# KiCad board main.kicad_pcb
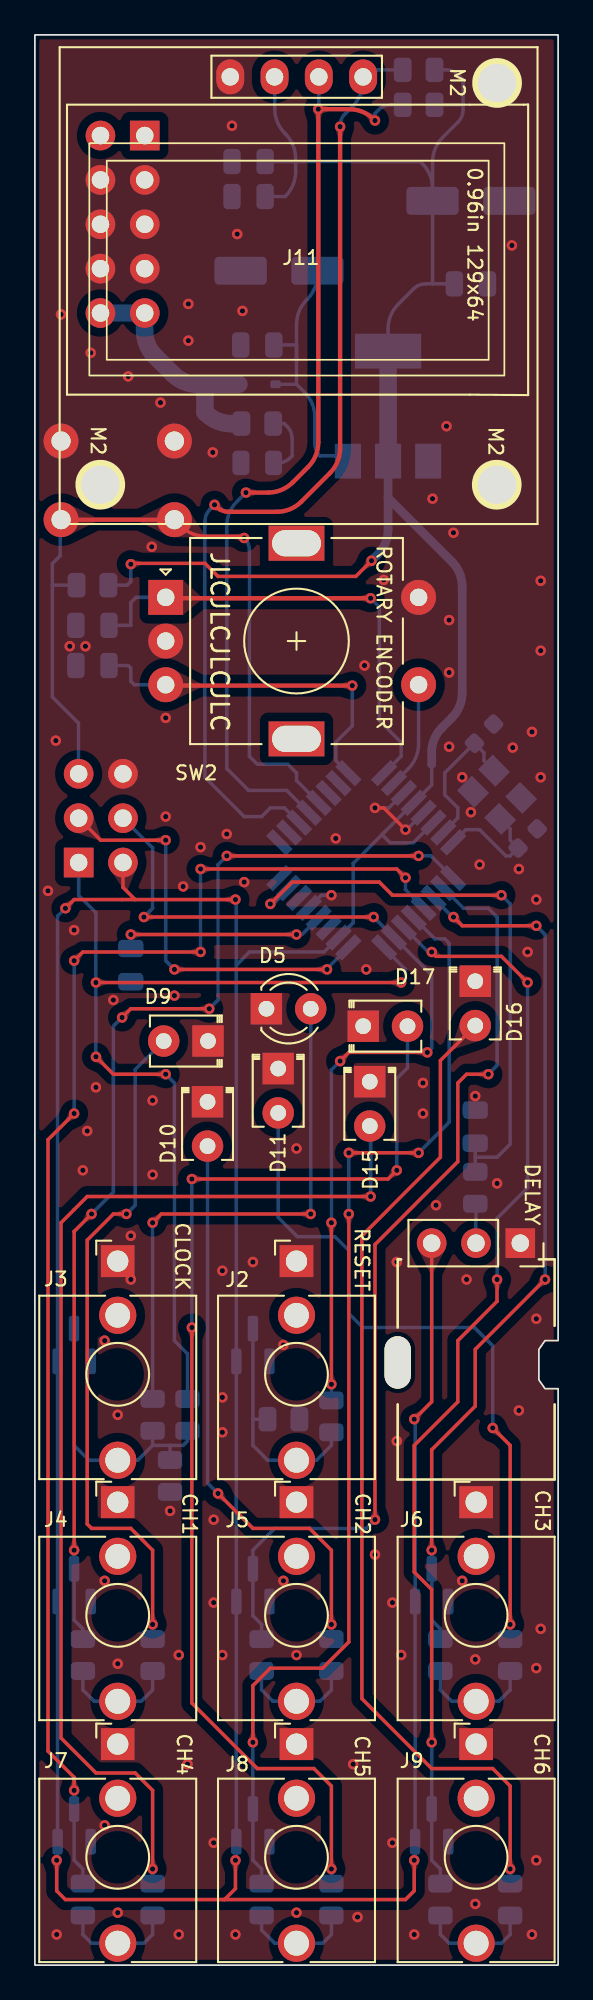
[diagram p0: board, top side]
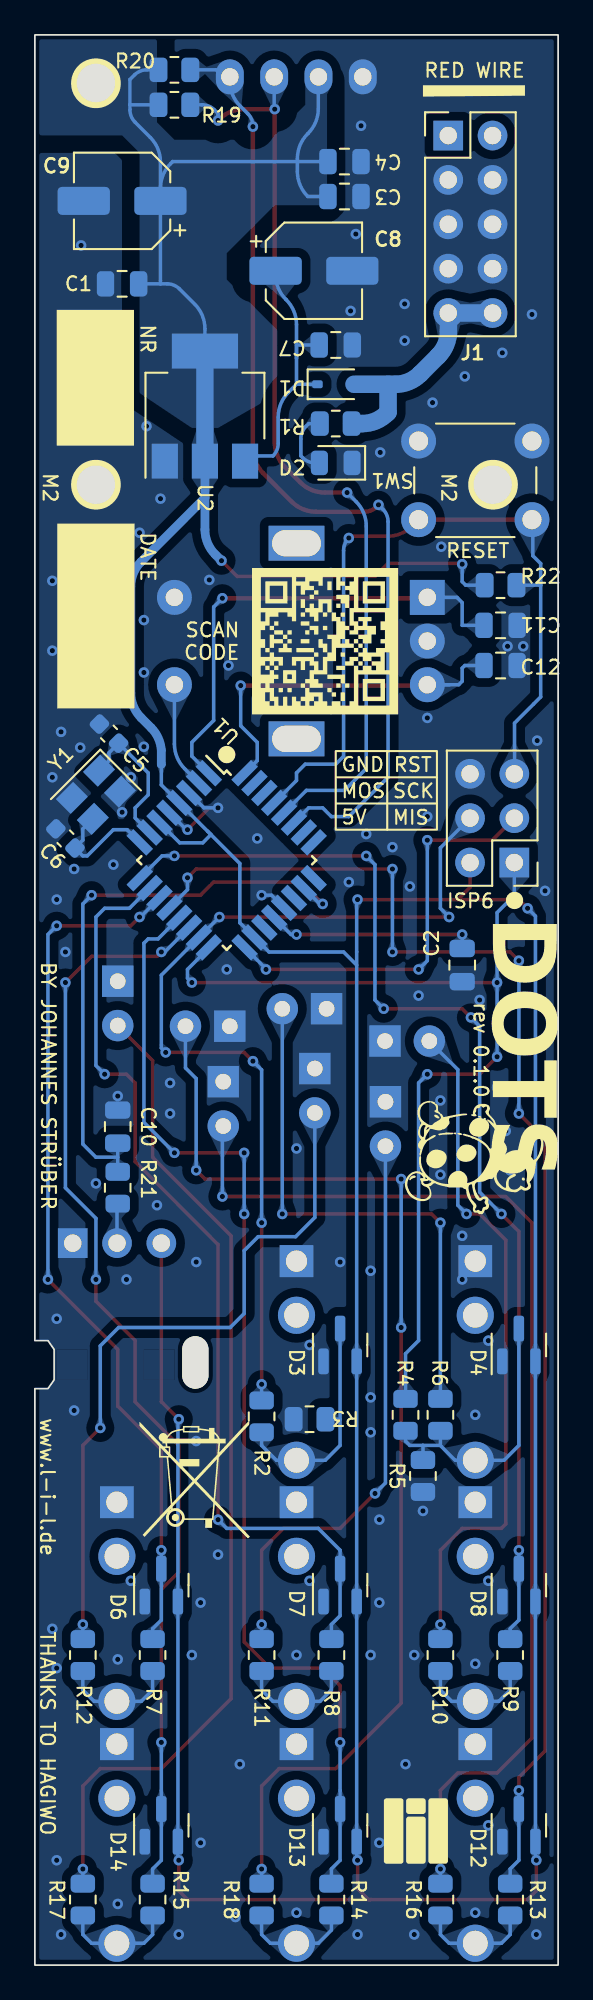
[diagram p1: board, bottom side, seen from below]

Outline 30 x 110.5 mm; copper layers: Top, Bottom. Coordinates in mm from the lower left corner of the outline.
Outline path: 0,110.5 30,110.5 30,35.75 29.25,35.75 28.9,35.25 28.9,33.5 29.25,33 30,33 30,0 0,0 closed
Stack: Top 0.035mm / dielectric 1.51mm FR4 er 4.5 / Bottom 0.035mm

## Placement (name value [footprint] x y rotation side)
C1  C 100nF  [C_0805_2012Metric]  25 96.25 0 bottom
C2  C 100nF  [C_0805_2012Metric]  5.5 57.25 270 bottom
C3  C 100nF  [C_0805_2012Metric]  12.25 101.25 180 bottom
C4  C 100nF  [C_0805_2012Metric]  12.25 103.25 180 bottom
C5  C 20pF  [C_0603_1608Metric]  25.75 70.5 45 bottom
C6  C 20pF  [C_0603_1608Metric]  28.25 64.5 45 bottom
C7  C 100nF  [C_0805_2012Metric]  12.75 92.75 180 bottom
C8  C 10uf  [CP_Elec_5x5.4]  14 97 180 bottom
C9  C 10uf  [CP_Elec_5x5.4]  25 101 0 bottom
C10  C 220pF  [C_0805_2012Metric]  25.25 48 90 bottom
C11  C 10nF  [C_0805_2012Metric]  3.3 76.7 180 bottom
C12  C 10nF  [C_0805_2012Metric]  3.3 74.4 0 bottom
D1  1N5819WS  [D_SOD-323]  12.75 90.5 180 bottom
D2  LED  [LED_0805_2012Metric]  12.75 86 0 bottom
D3  BAT54S  [SOT-23]  12.5 35.5 90 bottom
D4  BAT54S  [SOT-23]  2.25 35.5 90 bottom
D5  LED  [LED_D3.0mm]  13.27 54.75 0 top
D6  BAT54S  [SOT-23]  22.75 21.75 90 bottom
D7  BAT54S  [SOT-23]  12.5 21.75 90 bottom
D8  BAT54S  [SOT-23]  2.25 21.75 90 bottom
D9  LED  [LED_D2.0mm_W4.0mm_H2.8mm_FlatTop]  9.93 52.9 180 top
D10  LED  [LED_D2.0mm_W4.0mm_H2.8mm_FlatTop]  9.9 49.42 270 top
D11  LED  [LED_D2.0mm_W4.0mm_H2.8mm_FlatTop]  13.95 51.33 270 top
D12  BAT54S  [SOT-23]  2.25 8 90 bottom
D13  BAT54S  [SOT-23]  12.5 8 90 bottom
D14  BAT54S  [SOT-23]  22.75 8 90 bottom
D15  LED  [LED_D2.0mm_W4.0mm_H2.8mm_FlatTop]  19.2 50.58 270 top
D16  LED  [LED_D2.0mm_W4.0mm_H2.8mm_FlatTop]  25.25 56.33 270 top
D17  LED  [LED_D2.0mm_W4.0mm_H2.8mm_FlatTop]  18.83 53.75 0 top
DELAY1  R_Potentiometer_US  [PinSocket_1x03_P2.54mm_Vertical]  27.83 41.33 270 top
J1  Conn_02x05_Odd_Even  [PinHeader_2x05_P2.54mm_Vertical]  6.3 104.74 180 bottom
J2  AudioJack2  [Jack_3.5mm_QingPu_WQP-PJ398SM_Vertical_CircularHoles]  15 40.3 0 top
J3  AudioJack2  [Jack_3.5mm_QingPu_WQP-PJ398SM_Vertical_CircularHoles]  4.75 40.3 0 top
J4  AudioJack2  [Jack_3.5mm_QingPu_WQP-PJ398SM_Vertical_CircularHoles]  4.75 26.5 0 top
J5  AudioJack2  [Jack_3.5mm_QingPu_WQP-PJ398SM_Vertical_CircularHoles]  15 26.5 0 top
J6  AudioJack2  [Jack_3.5mm_QingPu_WQP-PJ398SM_Vertical_CircularHoles]  25.3 26.5 0 top
J7  AudioJack2  [Jack_3.5mm_QingPu_WQP-PJ398SM_Vertical_CircularHoles]  4.75 12.65 0 top
J8  AudioJack2  [Jack_3.5mm_QingPu_WQP-PJ398SM_Vertical_CircularHoles]  15 12.65 0 top
J9  AudioJack2  [Jack_3.5mm_QingPu_WQP-PJ398SM_Vertical_CircularHoles]  25.3 12.65 0 top
J10  Conn_02x03_Odd_Even  [PinHeader_2x03_P2.54mm_Vertical]  2.51 63.12 0 bottom
J11  Conn_01x04_Pin  [128x64OLED]  14.82 97.5 0 top
MD1  -  [MountingHole_2.2mm_M2]  3.75 84.75 0 top
MD2  -  [MountingHole_2.2mm_M2]  26.5 84.75 0 top
MT1  -  [MountingHole_2.2mm_M2]  26.5 107.75 0 top
R1  R 1K5  [R_0805_2012Metric]  12.75 88.25 180 bottom
R2  R 470  [R_0805_2012Metric]  17 31.41 90 bottom
R3  R 100k  [R_0805_2012Metric]  14.25 31.25 180 bottom
R4  R 470  [R_0805_2012Metric]  8.75 31.5 90 bottom
R5  R 100k  [R_0805_2012Metric]  7.75 28 90 bottom
R6  R 470Ohm  [R_0805_2012Metric]  6.75 31.5 90 bottom
R7  R 470  [R_0805_2012Metric]  23.25 17.75 90 bottom
R8  R 470  [R_0805_2012Metric]  13 17.75 90 bottom
R9  R 470  [R_0805_2012Metric]  2.75 17.75 90 bottom
R10  R 33k  [R_0805_2012Metric]  6.75 17.75 90 bottom
R11  R 33k  [R_0805_2012Metric]  17 17.75 90 bottom
R12  R 33k  [R_0805_2012Metric]  27.25 17.75 90 bottom
R13  R 470  [R_0805_2012Metric]  2.75 3.75 90 bottom
R14  R 470  [R_0805_2012Metric]  13 3.75 90 bottom
R15  R 470  [R_0805_2012Metric]  23.25 3.75 90 bottom
R16  R 33k  [R_0805_2012Metric]  6.75 3.75 90 bottom
R17  R 33k  [R_0805_2012Metric]  27.25 3.75 90 bottom
R18  R 33k  [R_0805_2012Metric]  17 3.75 90 bottom
R19  R 3K3  [R_0805_2012Metric]  22 106.5 0 bottom
R20  R 3K3  [R_0805_2012Metric]  22 108.5 0 bottom
R21  R 470  [R_0805_2012Metric]  25.25 44.5 90 bottom
R22  R 10K  [R_0805_2012Metric]  3.3 79 0 bottom
REF**  -  [MountingHole_2.1mm]  20.8 34.5 0 top
SW1  SW_TACTILE  [SW_PUSH_6mm]  8 87.25 180 bottom
SW2  RotaryEncoder_Switch  [RotaryEncoder_Alps_EC11E-Switch_Vertical_H20mm]  7.5 78.3 0 top
U1  ATmega328P-AU  [TQFP-32_7x7mm_P0.8mm]  19 63.25 225 bottom
U2  AMS1117-5.0  [SOT-223-3_TabPin2]  20.25 89.25 90 bottom
Y1  Crystal_GND24  [Crystal_SMD_3225-4Pin_3.2x2.5mm]  26.5 67 315 bottom

## Library data of the parts
C1-C4 C7 = -: Description: Unpolarized capacitor, small symbol; LCSC: C49678
C5 C6 = -: Description: Unpolarized capacitor; LCSC: C1648
C8 C9 = -: Description: Polarized capacitor, US symbol; LCSC: C72486
C10 = -: Description: Unpolarized capacitor; LCSC: C107145
C11 C12 = -: Description: Unpolarized capacitor; LCSC: C1710
D1 = -: Description: 40V 600mV@1A 1A SOD-323 Schottky Barrier Diodes, SOD-323; LCSC: C191023
D2 = -: Description: Light emitting diode; LCSC: C84256
D3 D4 D6-D8 D12-D14 = -: Description: Vr 30V, If 200mA, Dual schottky barrier diode, in series, SOT-323; LCSC: C916425
D5 D9-D11 D15-D17 = -: Description: Light emitting diode
DELAY1 = -: Description: Potentiometer, US symbol
J1 = -: Description: Generic connector, double row, 02x05, odd/even pin numbering scheme (row 1 odd numbers, row 2 even numbers), script generated (kicad-library-utils/schlib/autogen/connector/); LCSC: C492422
J2-J9 = -: Description: Audio Jack, 2 Poles (Mono / TS)
J10 = -: Description: Generic connector, double row, 02x03, odd/even pin numbering scheme (row 1 odd numbers, row 2 even numbers), script generated (kicad-library-utils/schlib/autogen/connector/); LCSC: C492420
J11 = -: Description: Generic connector, single row, 01x04, script generated
R1 = -: Description: Resistor; LCSC: C4310
R2 R4 R6-R9 R13-R15 R21 = -: Description: Resistor; LCSC: C17710
R3 R5 = -: Description: Resistor; LCSC: C149504
R10-R12 R16-R18 = -: Description: Resistor; LCSC: C17633
R19 R20 = -: Description: Resistor; LCSC: C26010
R22 = -: Description: Resistor; LCSC: C17414
SW1 = -: Description: Single Pole Single Throw (SPST) switch
SW2 = -: Description: Rotary encoder, dual channel, incremental quadrate outputs, with switch
U1 = -: Description: 20MHz, 32kB Flash, 2kB SRAM, 1kB EEPROM, TQFP-32; LCSC: C14877
U2 = -: Description: 800mA Fixed Low Drop Positive Voltage Regulator, Fixed Output 1.2V, SOT-223; LCSC: C917153
Y1 = -: Description: Four pin crystal, GND on pins 2 and 4; LCSC: C13738

## Footprints (pads in the part's own frame, mm; a bottom-side part is the same pattern mirrored in y, then rotated)
128x64OLED
  oval 1.6x2 hole 1: 1(-3.62,10.6) 2(-1.08,10.6) 3(1.46,10.6) 4(4,10.6)
C_0603_1608Metric
  rrect 0.9x0.95 smd: 1(-0.775,0) 2(0.775,0)
C_0805_2012Metric
  rrect 1x1.45 smd: 1(-0.95,0) 2(0.95,0)
CP_Elec_5x5.4
  rrect 3x1.6 smd: 1(-2.2,0) 2(2.2,0)
Crystal_SMD_3225-4Pin_3.2x2.5mm
  rect 1.4x1.2 smd: 1(-1.1,-0.85) 2(1.1,-0.85) 3(1.1,0.85) 4(-1.1,0.85)
D_SOD-323
  rrect 0.6x0.45 smd: 1(-1.05,0) 2(1.05,0)
Jack_3.5mm_QingPu_WQP-PJ398SM_Vertical_CircularHoles
  rect 1.93x1.83 hole 1.22: S(0,0)
  round 2.13 hole 1.43: T(0,-11.4)
  round 2.13 hole 1.42: TN(0,-3.1)
LED_0805_2012Metric
  rrect 0.975x1.4 smd: 1(-0.938,0) 2(0.938,0)
LED_D2.0mm_W4.0mm_H2.8mm_FlatTop
  rect 1.8x1.8 hole 0.9: 1(0,0)
  round 1.8 hole 0.9: 2(2.54,0)
LED_D3.0mm
  rect 1.8x1.8 hole 0.9: 1(0,0)
  round 1.8 hole 0.9: 2(2.54,0)
MountingHole_2.1mm
  oval 1.5x3 hole 1.5x3 unplated: (0,0)
MountingHole_2.2mm_M2
  round 2.2 hole 2.2 unplated: (0,0)
PinHeader_2x03_P2.54mm_Vertical
  rect 1.7x1.7 hole 1: 1(0,0)
  oval 1.7x1.7 hole 1: 2(2.54,0) 3(0,-2.54) 4(2.54,-2.54) 5(0,-5.08) 6(2.54,-5.08)
PinHeader_2x05_P2.54mm_Vertical
  rect 1.7x1.7 hole 1: 1(0,0)
  oval 1.7x1.7 hole 1: 2(2.54,0) 3(0,-2.54) 4(2.54,-2.54) 5(0,-5.08) 6(2.54,-5.08) 7(0,-7.62) 8(2.54,-7.62) 9(0,-10.16) 10(2.54,-10.16)
PinSocket_1x03_P2.54mm_Vertical
  rect 1.7x1.7 hole 1: 1(0,0)
  oval 1.7x1.7 hole 1: 2(0,-2.54) 3(0,-5.08)
R_0805_2012Metric
  rrect 1.025x1.4 smd: 1(-0.912,0) 2(0.912,0)
RotaryEncoder_Alps_EC11E-Switch_Vertical_H20mm
  rect 2x2 hole 1: A(0,0)
  round 2 hole 1: B(0,-5) C(0,-2.5) S1(14.5,-5) S2(14.5,0)
  rect 3.2x2 hole 2.8x1.5: MP(7.5,3.1) MP(7.5,-8.1)
SOT-23
  rrect 1.475x0.6 smd: 1(-0.938,0.95) 2(-0.938,-0.95) 3(0.938,0)
SOT-223-3_TabPin2
  rect 2x1.5 smd: 1(-3.15,2.3) 2(-3.15,0) 3(-3.15,-2.3)
  rect 2x3.8 smd: 2(3.15,0)
SW_PUSH_6mm
  round 2 hole 1.1: 1(0,0) 1(6.5,0) 2(0,-4.5) 2(6.5,-4.5)
TQFP-32_7x7mm_P0.8mm
  rect 1.6x0.55 smd: 1(-4.25,2.8) 2(-4.25,2) 3(-4.25,1.2) 4(-4.25,0.4) 5(-4.25,-0.4) 6(-4.25,-1.2) 7(-4.25,-2) 8(-4.25,-2.8) 17(4.25,-2.8) 18(4.25,-2) 19(4.25,-1.2) 20(4.25,-0.4) 21(4.25,0.4) 22(4.25,1.2) 23(4.25,2) 24(4.25,2.8)
  rect 0.55x1.6 smd: 9(-2.8,-4.25) 10(-2,-4.25) 11(-1.2,-4.25) 12(-0.4,-4.25) 13(0.4,-4.25) 14(1.2,-4.25) 15(2,-4.25) 16(2.8,-4.25) 25(2.8,4.25) 26(2,4.25) 27(1.2,4.25) 28(0.4,4.25) 29(-0.4,4.25) 30(-1.2,4.25) 31(-2,4.25) 32(-2.8,4.25)

## Nets
+5V: C1.1 C3.1 C4.1 C9.1 D3.2 D4.2 D6.2 D7.2 D8.2 D12.2 D13.2 D14.2 DELAY1.3 J10.2 J11.2 R19.2 R20.2 R22.2 U1.4 U1.6 U1.18 U2.2
+12V: D1.2 J1.9 J1.10 R1.2
GND: C1.2 C2.2 C3.2 C4.2 C5.2 C6.2 C7.2 C8.2 C9.2 C10.2 C11.2 C12.1 D2.1 D3.1 D4.1 D5.1 D6.1 D7.1 D8.1 D9.1 D10.1 D11.1 D12.1 D13.1 D14.1 D15.1 D16.1 D17.1 DELAY1.1 J1.3 J1.4 J1.5 J1.6 J1.7 J1.8 J2.S J3.S J4.S J5.S J6.S J7.S J8.S J9.S J10.6 J11.1 R3.1 R5.1 SW1.1 SW2.C SW2.S2 U1.3 U1.5 U1.21 U2.1 Y1.2 Y1.4
A0 POT: C10.1 R21.2 U1.23
A1: U1.24
A2: U1.25
A3: U1.26
A4 SDA: J11.4 R20.1 U1.27
A5 SCL: J11.3 R19.1 U1.28
A6: U1.19
A7: U1.22
D0/RX: U1.30
D1/TX: U1.31
D2 ROTARY LEFT: C12.2 SW2.B U1.32
D3 ROTARY RIGHT: C11.1 SW2.A U1.1
D4 PUSH: SW2.S1 U1.2
D5 CH1: D8.3 R9.2 U1.9
D6 CH2: D7.3 R8.2 U1.10
D7 CH3: D6.3 R7.2 U1.11
D8 CH4: D12.3 R13.2 U1.12
D9 CH5: D13.3 R14.2 U1.13
D10 CH6: D14.3 R15.2 U1.14
D11 MOSI RESET: J10.4 R2.2 U1.15
D12 MISO CLOCK: J10.1 R4.2 U1.16
RESET: J10.5 R22.1 SW1.2 U1.29
SCK: J10.3 U1.17
Net-(D1-K): C7.1 C8.1 D1.1 U2.3
Net-(D2-A): D2.2 R1.1
Net-(D3-COM): D3.3 J2.T R2.1 R3.2
Net-(D4-COM): D4.3 J3.T R4.1 R5.2 R6.1
Net-(D5-A): D5.2 R6.2
Net-(D9-A): D9.2 R10.2
Net-(D10-A): D10.2 R11.2
Net-(D11-A): D11.2 R12.2
Net-(D15-A): D15.2 R16.2
Net-(D16-A): D16.2 R17.2
Net-(D17-A): D17.2 R18.2
Net-(DELAY1-Pad2): DELAY1.2 R21.1
Net-(J4-PadT): J4.T R9.1 R10.1
Net-(J5-PadT): J5.T R8.1 R11.1
Net-(J6-PadT): J6.T R7.1 R12.1
Net-(J7-PadT): J7.T R13.1 R16.1
Net-(J8-PadT): J8.T R14.1 R18.1
Net-(J9-PadT): J9.T R15.1 R17.1
Net-(U1-AREF): C2.1 U1.20
Net-(U1-XTAL1/PB6): C5.1 U1.7 Y1.1
Net-(U1-XTAL2/PB7): C6.1 U1.8 Y1.3

Pads without a net: J1 1 2; J2 TN; J3 TN; J4 TN; J5 TN; J6 TN; J7 TN; J8 TN; J9 TN; SW2 MP

## Via types
v1: diameter 0.6, hole 0.3, Top to Bottom, 179 vias

## Routing (per net, layer and track width the routed paths; a pad name or vN(x,y) marks a point on that pad's centre or on a via; arc(x,y) is an arc through that point)
+5V: length 298
  Top w0.2: 10.75,3.75 10.88,3.75 11.5,4.38 v1(11.5,6) ; 5.75,61 5.05,61.7 J10.2 ; v1(21.75,31.25) 22.75,32.25 DELAY1.3 ; 5.61,80.31 v1(5.5,80.2) 5.55,80.25 9.75,80.25 10.5,79.5 18.4,79.5 v1(19.3,80.4) ; v1(21.75,6) 21.75,4.25 21.25,3.75 1.75,3.75 1.25,4.25 v1(1.25,6) ; v1(1.75,60.5) 2.25,61 v1(11.5,61)
  Bottom w0.2: R19.2 24.55,106.5 ; 24.55,106.5 24.55,107.95 24.29,108.21 arc(23.97,108.42) 23.59,108.5 R20.2 ; 24.55,106.5 24.55,106.21 arc(24.47,105.83) 24.26,105.51 23.39,104.64 arc(22.95,103.99) 22.8,103.22 C9.1 ; v1(11.5,61) 11.55,60.95 D3.2 D7.2 D13.2 11.55,6.05 v1(11.5,6) ; 22.8,96.25 22.41,96.25 arc(22.03,96.17) 21.71,95.96 20.84,95.09 arc(20.4,94.44) 20.25,93.67 U2.2 ; 22.8,96.25 C9.1 ; 22.8,96.25 C1.1 24.05,95.75 ; v1(5.5,80.2) 5.5,79.2 5.3,79 R22.2 ; C9.1 22.8,101.72 arc(22.65,102.49) 22.21,103.14 22.1,103.25 14.95,103.25 ; 11.55,57.25 12.3,58 16.58,58 U1.18 18.25,59.67 18.25,63.07 20.09,64.91 ; C4.1 14.95,103.25 ; 14.95,103.25 14.95,102.68 arc(14.8,101.91) 14.36,101.26 14.35,101.25 C3.1 ; 14.95,103.25 14.95,103.42 arc(14.8,104.19) 14.36,104.84 14.34,104.86 arc(13.9,105.51) 13.75,106.28 13.75,108.09 J11.2 14,107.84 ; v1(1.25,6) 1.3,6.05 D12.2 D8.2 D4.2 1.3,60.05 v1(1.75,60.5) ; 20.5,91.9 20,92.4 ; v1(21.75,6) 21.8,6.05 D14.2 D6.2 21.8,31.2 v1(21.75,31.25) ; U1.6 21.7,64.25 20.38,64.25 19.9,64.72 20.09,64.91 ; 20.09,64.91 U1.4 22.75,67.57 22.75,68.75
  Bottom w0.5: 20.25,84 20.25,82.18 arc(20.1,81.41) 19.66,80.76 v1(19.3,80.4) ; 20.25,84 23.91,80.34 arc(24.35,79.69) 24.5,78.92 24.5,72.83 arc(24.35,72.06) 23.91,71.41 23.34,70.84 arc(22.93,70.25) 22.75,69.55 22.75,68.75 22.75,68.75 ; 20.25,84 U2.2
  Bottom w1: U2.2 U2.2
+12V: length 14.4
  Bottom w1: R1.2 11.23,88.25 arc(10.46,88.4) 9.81,88.84 9.75,88.9 9.75,90.5 ; J1.10 J1.9 6.29,94.57 6.29,93.54 arc(6.44,92.77) 6.88,92.12 7.91,91.09 arc(8.56,90.65) 9.33,90.5 D1.2
GND: length 8
  Top w0.2: v1(21.25,65) 20,66.25 v1(19.5,66.25)
  Bottom w0.2: v1(19.5,66.25) 20.3,66.25 U1.3 ; 25,67.06 Y1.4 25.12,67.38 ; U1.21 16.43,61.25 v1(17,61.25) ; 25.25,67.31 25.37,67.43 25.37,67.56 ; v1(21.25,65) 21.32,65 U1.5
  vias: v1(0.75,61.5) v1(1.2,70.1) v1(1.25,1.75) v1(1.5,94.5) v1(2,75.5) v1(2.25,59.25) v1(2.75,45.5) v1(2.9,75.5) v1(3,47.75) v1(3.2,92.3) v1(3.5,50.25) v1(4,35.75) v1(4,22) v1(4,8) v1(4.5,55.25) v1(4.75,31.5) v1(4.75,17.25) v1(4.75,3) v1(5.35,90.95) v1(5.5,41.75) v1(5.5,39.25) v1(6.7,81.2) v1(6.75,49.5) v1(6.75,45.25) v1(7.2,89.45) v1(7.5,71.4) v1(7.5,65.75) v1(7.75,26) v1(8,55.5) v1(8.25,17.75) v1(8.25,1.75) v1(8.5,61.75) v1(8.8,95.1) v1(8.8,93) v1(8.75,11.5) v1(9.5,64) v1(10.2,86.6) v1(10.25,25.5) v1(10.25,20.75) v1(10.25,7) v1(10.75,39.75) v1(10.75,32.5) v1(10.75,30.5) v1(10.75,17.75) v1(11,64.75) v1(11.3,105.3) v1(11.5,1.75) v1(11.6,99.1) v1(11.9,94.7) v1(12,62) v1(12.5,40.25) v1(14.25,35.5) v1(14.25,22) v1(15,46.75) v1(15,17.75) v1(15,3) v1(17.25,64.5) v1(18.25,11.5) v1(18.5,2.75) v1(18.9,74.4) v1(19,57) v1(19.5,23.5) v1(20,79.3) v1(20.5,20.75) v1(20.5,7) v1(20.75,40.25) v1(20.75,30) v1(21,17.75) v1(21.75,1.75) v1(22.25,50.5) v1(22.25,48.75) v1(22.8,83.95) v1(23,43.5) v1(23.6,88.1) v1(23.75,77) v1(23.75,74) v1(23.75,69.75) v1(24,82) v1(24.5,68) v1(24.5,22) v1(24.75,39.25) v1(25,66) v1(25.25,49.75) v1(25.25,17.5) v1(25.25,3.5) v1(25.5,63) v1(26.5,44.75) v1(27.35,98.45) v1(27.4,69.7) v1(27.75,62.75) v1(27.75,31.75) v1(28.25,58) v1(28.5,70.6) v1(28.5,1.75) v1(28.75,61) v1(28.75,37) v1(28.75,17) v1(28.75,6) v1(29,79.25) v1(29,75.25) v1(29,68) v1(29,19.25)
A0 POT: length 33.9
  Top w0.2: v1(26.75,61.25) 20.5,61.25 19.75,62 14.75,62 v1(13.5,60.75)
  Bottom w0.2: 25.25,46.25 26.5,46.25 27.25,47 27.25,60.75 v1(26.75,61.25) ; 25.25,46.25 R21.2 ; 25.25,46.25 C10.1 ; v1(13.5,60.75) 13.67,60.75 U1.23
A4 SDA: length 55.9
  Top w0.25: v1(17.5,105.25) 17.5,86.83 arc(17.35,86.06) 16.91,85.41 15.29,83.79 arc(14.64,83.35) 13.87,83.2 11.11,83.2 arc(10.73,83.28) 10.41,83.49 v1(10.3,83.6)
  Bottom w0.2: R20.1 19.63,108.5 arc(19.25,108.42) 18.93,108.21 J11.4 18.82,107.85 arc(18.67,107.08) 18.23,106.43 17.79,105.99 arc(17.58,105.67) 17.5,105.29 v1(17.5,105.25) ; v1(10.3,83.6) 10.04,83.34 arc(9.83,83.02) 9.75,82.64 9.75,68 12,65.75 13,65.75 13.5,66.25 14.3,66.25 U1.27
A5 SCL: length 54.1
  Top w0.25: v1(12.1,84.3) 13.37,84.3 arc(14.14,84.45) 14.79,84.89 15.66,85.76 arc(16.1,86.41) 16.25,87.18 v1(16.25,106.25) 18.02,106.25 arc(18.79,106.1) 19.44,105.66 v1(19.5,105.6)
  Bottom w0.2: v1(16.25,106.25) 16.28,106.28 J11.3 ; v1(19.5,105.6) 19.5,106 19.71,106.21 arc(20.03,106.42) 20.41,106.5 R19.1 ; U1.28 14.43,67.25 12.25,67.25 11,68.5 11,82.37 arc(11.15,83.14) 11.59,83.79 v1(12.1,84.3)
D2 ROTARY LEFT: length 21.9
  Top w0.25: v1(18.2,73.25) 7.55,73.25 SW2.B
  Bottom w0.2: 6.21,73.3 SW2.B 5.7,73.3 5.5,73.5 5.5,74.25 5.35,74.4 C12.2 ; v1(18.2,73.25) 18.2,70.95 17.25,70 17.25,68.96 U1.32
D3 ROTARY RIGHT: length 27.5
  Top w0.25: v1(19.25,78.25) 7.55,78.25
  Bottom w0.2: SW2.A 5.8,78.3 5.5,78 5.5,76.7 C11.1 ; v1(19.25,78.25) 19.75,77.75 19.75,71.25 21,70 21,69.21 U1.1
D4 PUSH: length 6.1
  Bottom w0.2: U1.2 21.41,68.49 arc(21.85,69.14) 22,69.91 SW2.S1
D5 CH1: length 64.8
  Top w0.2: v1(5,54.25) 5.5,54.75 v1(10,54.75) ; v1(11,63.5) v1(22,63.5) ; v1(3.25,43) 2.25,42 v1(2.25,23.75)
  Bottom w0.2: v1(3.25,43) 4.5,44.25 4.5,53.75 v1(5,54.25) ; v1(2.25,23.75) D8.3 2.25,19.75 2.75,19.25 R9.2 ; v1(10,54.75) 10.5,55.25 10.5,63 v1(11,63.5) ; U1.9 22.71,63.5 v1(22,63.5)
D6 CH2: length 54.9
  Top w0.2: v1(19.5,25.5) 19.5,41.25 24.25,46 24.25,50.5 24.75,51 v1(26,51)
  Bottom w0.2: v1(19.5,25.5) 19,25 13.75,25 12.5,23.75 D7.3 12.5,20 13,19.5 R8.2 ; U1.10 24.58,60.5 26,60.5 26.5,60 26.5,51.5 v1(26,51)
D7 CH3: length 50.4
  Top w0.2: v1(29.25,39.25) 25.25,35.25 25.25,32 22.75,29.5 v1(22.75,23.75) ; v1(28.75,59.5) 24.5,59.5 v1(24,60)
  Bottom w0.2: v1(28.75,59.5) 29.25,59 v1(29.25,39.25) ; R7.2 23.25,19.25 22.75,19.75 D6.3 v1(22.75,23.75) ; U1.11 23.95,60
D8 CH4: length 80.6
  Top w0.2: v1(2.25,57.5) 2.75,58 v1(9.5,58) ; v1(9.5,62.75) 20.75,62.75 v1(21.25,62.25) ; v1(2.25,10) 2.25,10.75 0.75,12.25 0.75,47.25 v1(2.25,48.75)
  Bottom w0.2: R13.2 2.75,5.5 2.25,6 D12.3 v1(2.25,10) ; v1(21.25,62.25) 21.25,61.57 U1.12 ; v1(2.25,57.5) v1(2.25,48.75) ; v1(9.5,58) v1(9.5,62.75)
D9 CH5: length 65.4
  Top w0.2: v1(12.5,12.75) 12.5,16 13.5,17 16.5,17 18,18.5 v1(18,43) ; v1(22,46.5) v1(18,46.5)
  Bottom w0.2: v1(18,46.5) v1(18,43) ; v1(12.5,12.75) D13.3 12.5,6 13,5.5 R14.2 ; U1.13 22.93,58.75 23.5,58.75 23.75,58.5 23.75,48.25 v1(22,46.5)
D10 CH6: length 63.3
  Top w0.2: v1(22.75,58) 23,57.75 26.75,57.75 v1(28.25,56.25) ; v1(26.5,39.25) 26.5,38 24.25,35.75 24.25,32.25 21.75,29.75 21.75,22.5 22.75,21.5 v1(22.75,12.75)
  Bottom w0.2: v1(26.5,39.25) 26.5,42.75 28.25,44.5 v1(28.25,56.25) ; v1(22.75,58) 22.55,58 U1.14 ; R15.2 23.25,5.5 22.75,6 D14.3 v1(22.75,12.75)
D11 MOSI RESET: length 53.8
  Top w0.2: v1(17.5,51.75) 18,52.25 v1(22.5,52.25) ; v1(6.25,60) v1(19.42,60) ; v1(17,33.25) v1(17,42.5)
  Bottom w0.2: v1(17.5,51.75) 17,51.25 v1(17,42.5) ; v1(19.42,60) U1.15 22.75,56.67 22.75,52.5 v1(22.5,52.25) ; v1(6.25,60) 6.75,60.5 6.75,63.96 J10.4 ; R2.2 v1(17,33.25)
D12 MISO CLOCK: length 55.2
  Top w0.2: v1(3.5,56.25) v1(21,56.25) ; v1(7.5,51) 4.5,51 v1(3.5,52)
  Bottom w0.2: v1(21,56.25) 21.25,56.5 21.25,57 20.03,58.22 U1.16 ; v1(7.5,51) 8,50.5 8,35.75 8.75,35 R4.2 ; J10.1 2.51,61.24 3.5,60.25 v1(3.5,56.25) v1(3.5,52)
RESET: length 45.5
  Top w0.2: SW1.2 8.36,82.39 arc(9.01,81.95) 9.78,81.8 11.9,81.8 v1(12,81.7)
  Top w0.25: SW1.2 SW1.2
  Bottom w0.2: U1.29 15,67.82 15,68.25 14.5,68.75 12.75,68.75 12.3,69.2 12.3,80.99 arc(12.22,81.37) 12.01,81.69 v1(12,81.7) ; SW1.2 1.45,82.7 1.45,80.69 1,80.24 1,79 ; 1,79 R22.1 ; 1,79 1,72.6 2.5,71.1 2.5,68.21 J10.5
SCK: length 23.6
  Top w0.2: J10.3 3.77,64.4 v1(7.5,64.4) ; v1(8,57) v1(16.75,57)
  Bottom w0.2: v1(7.5,64.4) 7.5,57.5 v1(8,57) ; v1(16.75,57) 16.75,57.04 U1.17
Net-(D1-K): length 16.1
  Bottom w0.2: 15,92 15,93.92 arc(15.15,94.69) 15.59,95.34 15.61,95.36 arc(16.05,96.01) 16.2,96.78 ; 15,92 15,90.5 ; 15,92 15,92.75 C7.1 ; 15,90.5 15.46,90.04 arc(15.9,89.39) 16.05,88.62 16.05,87.11 arc(16.13,86.73) 16.34,86.41 16.35,86.4 17.24,86.4 arc(17.62,86.32) 17.94,86.11 U2.3 ; 15,90.5 D1.1
Net-(D2-A): length 3.8
  Bottom w0.2: D2.2 13.94,86 arc(14.32,86.08) 14.64,86.29 14.75,86.4 14.75,87.39 arc(14.67,87.77) 14.46,88.09 14.3,88.25 R1.1
Net-(D3-COM): length 13.5
  Bottom w0.2: 12.5,31.25 R3.2 ; 12.5,31.25 D3.3 ; 12.5,31.25 12.5,29.75 13.35,28.9 J2.T 16.15,28.9 17,29.75 R2.1
Net-(D4-COM): length 16.3
  Bottom w0.2: 6.75,29.75 7.75,29.75 ; 6.75,29.75 5.9,28.9 J3.T 3.1,28.9 2.25,29.75 D4.3 ; 6.75,29.75 R6.1 ; 7.75,29.75 8.5,29.75 8.75,30 R4.1 ; 7.75,29.75 R5.2
Net-(D5-A): length 31.1
  Top w0.2: v1(15.81,43) 7.25,43 v1(6.75,42.5)
  Bottom w0.2: v1(6.75,42.5) R6.2 ; v1(15.81,43) D5.2
Net-(D9-A): length 39.4
  Top w0.2: v1(5.25,43) 4.5,43 3,41.5 3,25.25 3.25,25 5.5,25 6.75,23.75 v1(6.75,19.5)
  Bottom w0.2: R10.2 v1(6.75,19.5) ; v1(5.25,43) 5.75,43.5 5.75,51.27 D9.2
Net-(D10-A): length 33.1
  Top w0.2: v1(10.5,27) 12.5,25 15.75,25 17,23.75 v1(17,19.5)
  Bottom w0.2: R11.2 v1(17,19.5) ; D10.2 9.9,27.6 v1(10.5,27)
Net-(D11-A): length 40.6
  Top w0.2: v1(26.25,30.75) 27.25,29.75 v1(27.25,19.5)
  Bottom w0.2: D11.2 13.95,42.8 15.05,41.7 17.2,41.7 18,40.9 18,37.3 18.8,36.5 25.2,36.5 26.25,35.45 v1(26.25,30.75) ; R12.2 v1(27.25,19.5)
Net-(D15-A): length 63.8
  Top w0.2: v1(6.75,5.5) 6.75,10 5.75,11 3.5,11 1.5,13 1.5,42.5 3,44 v1(19.25,44)
  Bottom w0.2: D15.2 19.25,47.98 v1(19.25,44) ; R16.2 v1(6.75,5.5)
Net-(D16-A): length 57.4
  Top w0.2: D16.2 23.25,51.78 23.25,46.25 18.75,41.75 18.75,15.25 22.75,11.25 26.25,11.25 27.25,10.25 v1(27.25,5.5)
  Bottom w0.2: R17.2 v1(27.25,5.5)
Net-(D17-A): length 66
  Top w0.2: v1(9,36.5) 9,15 12.75,11.25 16,11.25 17,10.25 v1(17,5.5) ; v1(20.75,45.5) 20.25,45 v1(9,45)
  Bottom w0.2: R18.2 v1(17,5.5) ; v1(9,45) v1(9,36.5) ; D17.2 21.37,51.36 20.75,50.75 v1(20.75,45.5)
Net-(DELAY1-Pad2): length 2.5
  Bottom w0.2: 25.07,41.33 25.29,41.55 25.29,43.3 25,43.59
Net-(J4-PadT): length 6.7
  Bottom w0.2: R10.1 6.75,15.75 6.1,15.1 J4.T 3.4,15.1 2.75,15.75 R9.1
Net-(J5-PadT): length 6.7
  Bottom w0.2: R11.1 17,15.75 16.35,15.1 J5.T 13.65,15.1 13,15.75 R8.1
Net-(J6-PadT): length 6.7
  Bottom w0.2: R12.1 27.25,15.75 26.6,15.1 J6.T 23.9,15.1 23.25,15.75 R7.1
Net-(J7-PadT): length 6.6
  Bottom w0.2: R16.1 6.75,1.75 6.25,1.25 J7.T 3.25,1.25 2.75,1.75 R13.1
Net-(J8-PadT): length 6.4
  Bottom w0.2: R14.1 13,2 13.75,1.25 J8.T 16.5,1.25 17,1.75 R18.1
Net-(J9-PadT): length 6.6
  Bottom w0.2: R15.1 23.25,1.75 23.75,1.25 J9.T 26.75,1.25 27.25,1.75 R17.1
Net-(U1-AREF): length 12
  Top w0.2: v1(5.5,59) v1(15,59)
  Bottom w0.2: U1.20 15.32,59 v1(15,59) ; v1(5.5,59) C2.1
Net-(U1-XTAL1/PB6): length 8.6
  Bottom w0.2: C5.1 25.25,69.95 ; C5.1 23.5,68.25 23.5,67 24.25,66.25 24.25,65.67 U1.7 ; C5.1 25.75,69.4 25.75,68.95 Y1.1
Net-(U1-XTAL2/PB7): length 6.9
  Bottom w0.2: Y1.3 27.25,65.05 27.25,64.4 C6.1 27.25,63.5 27,63.5 25.5,65 24.71,65 U1.8

## Copper pours and planes (outline as drawn; the poured copper is in the pictures)
+5V on Bottom: 19.5,88 16,90 16,93.5 19,96.5 19,98 16.25,100.75 13.25,100.75 13.25,108 14.25,108 14.5,107.75 14.5,106.5 16.5,104.5 22,104.5 23,105.5 23,110.25 29.75,110.25 29.75,104.75 25,104.75 24,103.75 24,90 21,88
GND on Top, Bottom: 0.25,110.25 29.75,110.25 29.75,0.3 0.25,0.3
GND on Bottom: 22,35.25 23.75,35.25 23.75,33.5 22,33.5
GND on Bottom: 27,35.25 28.75,35.25 28.75,33.5 27,33.5

Small or netless copper shapes (teardrops, artwork), in the pictures only: 86 on Top, 243 on Bottom

## Text on the board
B.Silkscreen: MIS | ISP6 | RESET | RED WIRE | RST | SCK | GND | MOS | 5V | SCAN / CODE | rev 0.1.0 | www.l-i-l.de | THANKS TO HAGIWO | M2 | NR | DATE | BY JOHANNES STRÜBER | DOTS
User.Drawings: Kupferlagenanzahl: | Abmessungen der Platine: | Min Leiterbahn/abstand: | Kupferoberfläche: | Castellated Pads: | Randsteckverbinder: | 2 | 30.0000 mm x 110.5000 mm | 0.0000 mm / 0.0000 mm | None | Nein | Platinen-Dicke: | Min Lochdurchmesser: | Impedanzkontrolle: | Metallisierte Platinenkante: | 1.6000 mm | 0.3000 mm | PLATINEN-EIGENSCHAFTEN
F.Silkscreen: CH1 | M2 | CH4 | CLOCK | CH2 | CH5 | RESET | 0.96in 129x64 | CH6 | CH3 | DELAY | ROTARY ENCODER | JLCJLCJLCJLC
